# Altium PCB layout_test_slave1b.PcbDoc
Units mil, origin at the board's own origin, x right, y up, seen from the top; angles counter-clockwise.
Board outline 3740.33 x 2560.33 mil, 2 copper layers (Top Layer, Bottom Layer); 25 components, 19 nets, 106 pads, 6 vias.
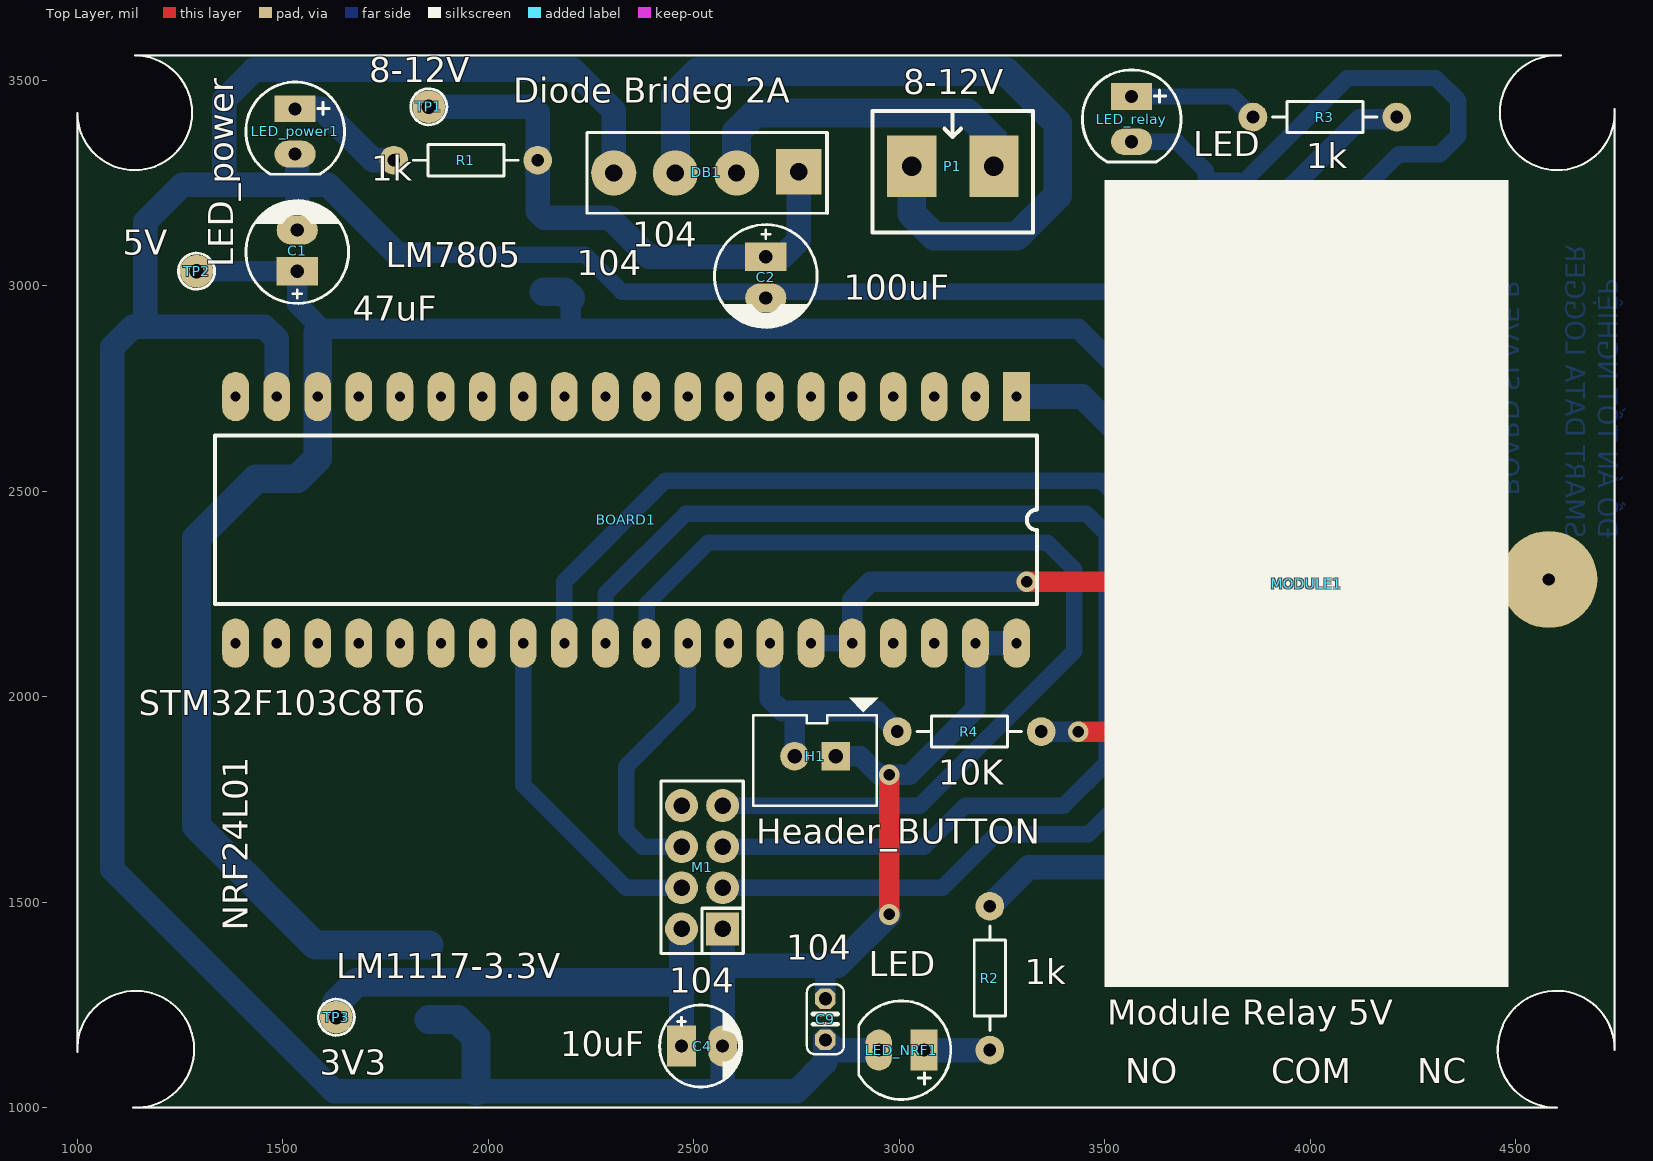
[diagram p0: Top Layer view]
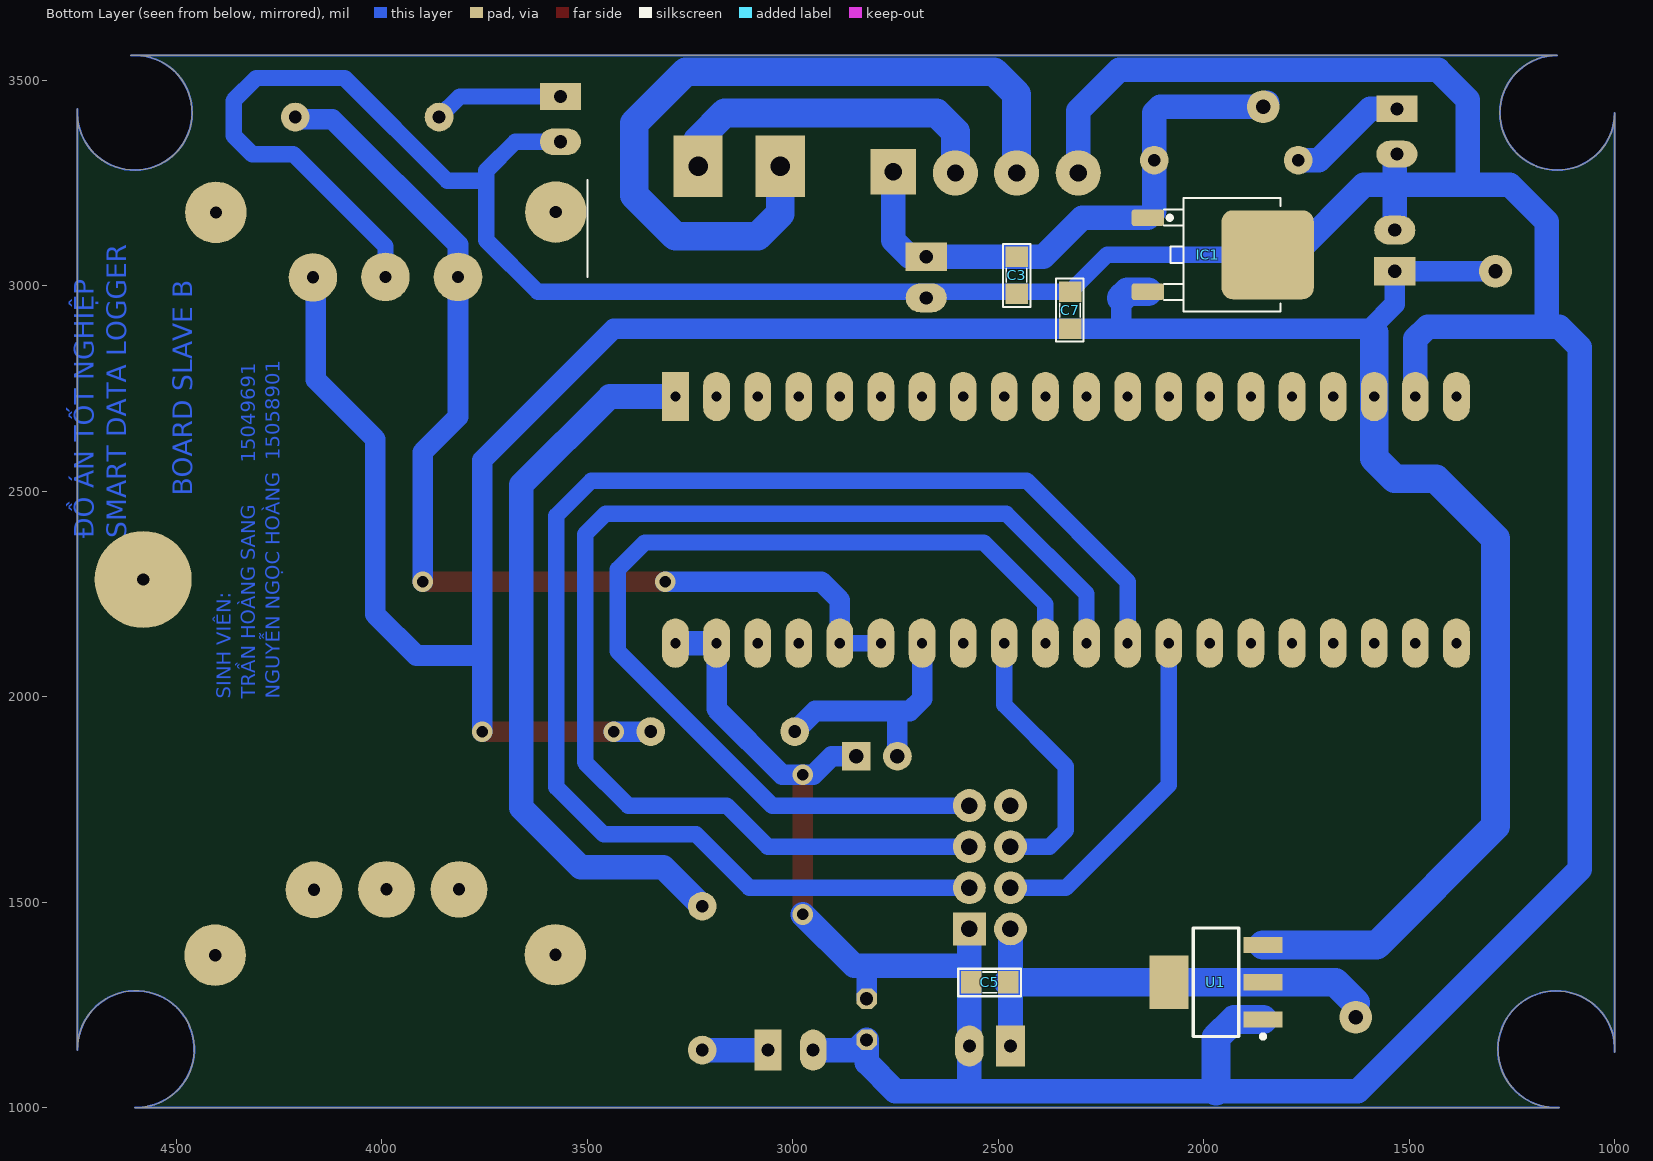
[diagram p1: Bottom Layer view, seen from below]

## Layer stack, top to bottom
Top Solder: solder mask 0.4, Solder Resist, Dk 3.5
Top Layer: signal copper 1.4
Dielectric 1: dielectric 12.6, FR-4, Dk 4.8
Bottom Layer: signal copper 1.4
Bottom Solder: solder mask 0.4, Solder Resist, Dk 3.5

## Board outline
1135,1000 4600,1000 cw(c4597.79,1142.21) 4740,1140 4740,3430 cw(c4600.54,3420.54) 4610,3560 1140,3560 cw(c1139.59,3420.41) 1000,3420 1000,1135 cw(c1142,1142)

## Design rules (kind name [scope] priority, off if disabled: settings)
Clearance [All] p1: gap=1
PolygonConnect [All] p1: connectstyle=Relief reliefconductorwidth=10 reliefentries=4 polygonreliefangle="90 Angle" airgapwidth=10
RoutingVias [All] p1: holewidth=28 width=50 viastyle="Through Hole" minholewidth=28 minwidth=50 maxholewidth=28 maxwidth=50
SolderMaskExpansion [All] p1: expansion=4
Width [All] p1: maxlimit=100 minlimit=5 preferedwidth=10
30 further rules are at their usual default settings.

## Components (designator, comment, footprint, x,y, rotation, side; value= is the part's Value field where it differs from the comment)
BOARD1 "STM32F103C8T6" "BOARD STM32F103C8T6 - duplicate" 3285,2730 r270 top
C1 "47uF" CP1/2.5 1535,3035 r90 top
C2 "100uF" CP1/2.5 2675,3070 r270 top
C3 "104" SM-CAP-0805 2455,2980 r90 bottom
C4 "10uF" CP1/2 2470,1150 r0 top
C5 "104" SM-CAP-0805 2565,1305 r180 bottom
C7 "104" SM-CAP-0805 2325,2985 r270 bottom
C9 "104" C025-025,040 2820,1165 r90 top
DB1 "Diode Brideg 2A" "DIO-Bri 2A" 2755,3275 r180 top
H1 "Header_BUTTON" Header2 3175,1860 r180 top
IC1 "LM7805" TO252-123 1990,3075 r270 bottom
LED_NRF1 "LED" LED-5-BLUE 3005,1140 r180 top
LED_power1 "LED_power" LED-5-BLUE 1530,3375 r270 top
LED_relay "LED" LED-5-BLUE 3565,3405 r270 top
M1 "NRF24L01" NRF24L01 2520,1585 r90 top
MODULE1 "Module Relay 5V" "MODULE RELAY 5V" 3990,2295 r270 top
P1 "8-12V" "Medium - Header 2" 3130,3290 r0 top
R1 "1k" R1/4W 1770,3305 r0 top
R2 "1k" R1/4W 3220,1140 r90 top
R3 "1k" R1/4W 3860,3410 r0 top
R4 "10K" R1/4W 2995,1915 r0 top
TP1 "8-12V" TP1 1855,3435 r180 top
TP2 "5V" TP1 1290,3035 r0 top
TP3 "3V3" TP1 1630,1220 r0 top
U1 "LM1117-3.3V" SOT223 1970,1305 r90 bottom

## Footprints (in the part's own frame and the unit in brackets; to place one, negate y for a bottom-side part, rotate by r counter-clockwise, add the part's x,y. Pads: shape width x height; smd on the part's side, far side on the other; paste and mask are expansions set on the pad)
"BOARD STM32F103C8T6 - duplicate" [mil]
  rect 120x65 hole 25: 1(0,0)
  oval 120x65 hole 25: 2(0,-100) 3(0,-200) 4(0,-300) 5(0,-400) 6(0,-500) 7(0,-600) 8(0,-700) 9(0,-800) 10(0,-900) 11(0,-1000) 12(0,-1100) 13(0,-1200) 14(0,-1300) 15(0,-1400) 16(0,-1500) 17(0,-1600) 18(0,-1700) 19(0,-1800) 20(0,-1900) 21(600,-1900) 22(600,-1800) 23(600,-1700) 24(600,-1600) 25(600,-1500) 26(600,-1400) 27(600,-1300) 28(600,-1200) 29(600,-1100) 30(600,-1000) 31(600,-900) 32(600,-800) 33(600,-700) 34(600,-600) 35(600,-500) 36(600,-400) 37(600,-300) 38(600,-200) 39(600,-100) 40(600,0)
  silkscreen extent 95,-1950 505,50, body extent -150,-2130 750,136, height 475
C025-025,040 [mil]
  oct 50x50 hole 32: 1(0,0) 2(100,0)
  silkscreen extent -35,-45 135,45, body extent -65,-33 165,33, height 265
CP1/2 [mil] "Tu hoa < 22uF/16>50V"
  rect 70x100 hole 32: 1(0,0)
  oval 70x100 hole 32: 2(100,0)
  silkscreen extent -53,-100 147,100, body extent -49,-99 149,99, height 287
CP1/2.5 [mil] "Tu hoa 33 >100 uF,50V, 220uF/16V,25V"
  rect 70x100 hole 32: 1(0,0)
  oval 70x100 hole 32: 2(100,0)
  silkscreen extent -78,-125 172,125, body extent -76,-124 172,124, height 422
"DIO-Bri 2A" [mil] "CAU 2A DET"
  rect 110x110 hole 42: 1(0,-2)
  round 110 hole 42: 2(151,1) 3(300,1) 4(450,1)
  silkscreen extent -70,-97 515,100, body extent -62,-95 512,102, height 650
Header2 [mil] "CON2"
  rect 70x70 hole 35.43: 1(330,5)
  round 70 hole 35.43: 2(430,5)
  silkscreen extent 227,-137 530,125, body extent 262,-65 498,112, height 236
LED-5-BLUE [mil] "LED 2 PIN, 5 ly , Only colour, pin to pin 110mil"
  rect 65x100 hole 32: 1(-55,0)
  oval 65x100 hole 32: 2(55,0)
  silkscreen extent -120,-120 104,120, body extent -113,-120 100,117, height 339
"Medium - Header 2" [mil]
  rect 120x150 hole 47.24: 1(-100,0) 2(100,0)
  silkscreen extent -195,-160 195,135, body extent -197,-160 197,135, height 394
"MODULE RELAY 5V" [mil]
  round 118.11 hole 30: 1(-725,177) 2(-726,0.5) 3(-726,-176)
  round 137.8 hole 30: 4(765,174.5) 5(764,-2) 6(764,-178.5)
  round 149.61 hole 30: VIT(-884,-414) VIT(-883,413) VIT(923,-413) VIT(924,415)
  silkscreen extent -962,-491 1002,492, body extent -963,-492 1001,494, height 669
NRF24L01 [mil]
  rect 80x80 hole 40.16: 1(-150,-50)
  round 80 hole 40.16: 2(-50,-50) 3(50,-50) 4(150,-50) 5(150,50) 6(50,50) 7(-50,50) 8(-150,50)
  silkscreen extent -210,-100 210,100, body extent -230,-110 360,1032, height 606
R1/4W [mil] "R 1/4W, 2 Pin, 350mil"
  round 70 hole 31: 1(0,0) 2(350,0)
  silkscreen extent 48,-38 302,38, body extent -40,-47 386,47, height 111
SM-CAP-0805 [mil]
  rect 50x55 smd: 1(0,0) 2(90,0)
  silkscreen extent -32,-34 121,33, body extent 6,-25 84,25, height 31
SOT223 [mm]
  rect 1x2.4 smd: 1(-2.3,-2.9) 2(0,-2.9) 3(2.3,-2.9)
  rect 3.3x2.4 smd: 4(0,2.9)
  silkscreen extent -3.47,-3.02 3.35,1.4, body extent -3.25,-3.56 3.25,3.4, height 1.68
TO252-123 [mm]
  round 0.5 on Mech15: 0(0,0)
  rrect25% 1x2 smd: 1(-2.285,-3.7) 3(2.285,-3.7)
  rrect25% 5.5x5.7 smd: 2(0,3.7)
  silkscreen extent -3.5,-2.7 3.5,4.5, body extent -3.3,-3.95 3.3,5.76, height 2.31
TP1 [mil] "Test point"
  round 80 hole 35: 1(0,0)
  silkscreen extent -44,-44 44,44, body extent -50,-50 50,50, height 178

## Part data
BOARD1: library part "board stm32f103c8t6"
C1 C2: library part CP2, "C 47uF/50V , 220uF/16V"
C3 C5 C7: library part CN
C4: library part CP1, "Cap P  0,1uF < 22uF , 16 - 50V"
C9: library part CN, "CAP CER 0.047UF 25V X7R 0402"
DB1: library part "DIODE BRIGDE", "Convert AC to DC voltage, 4 pin"
H1: library part Header2, "Header IDC, 2 x 1 Pin Vertical 2.54mm Pitch (Non-Boxed, Male)"
IC1: library part LM78xx, "Positive Voltage Regulator"
LED_NRF1 LED_relay: "LED Single colour Green and Red"
LED_power1: library part LED, "LED Single colour Green and Red"
P1: library part "Header 2 - M", "Header, 2-Pin, Medium"
R1 R2 R3 R4: library part R1/4W, "Resistor 1/4W"
TP1 TP2 TP3: library part TP1, "Test Point"
U1: library part LM1117, "800mA Low-Dropout Linear Regulator"

## Free pads (board coordinates)
  round 236.22 hole 30: 2(4580,2285)

## Via types
v1: diameter 50, hole 28, Top Layer to Bottom Layer, 6 vias

## Nets (pads, with @x,y where several pads share a name; then routed paths per layer and width w, separated by ;. In a path a pad name is that pad's centre, name@x,y a point inside that pad or via, vN(x,y) a via of type N, cw(c..) or ccw(c..) an arc to the next point about the centre after c; other vN are vias at no path point)
3V3: C4.1 C5.2 M1.8 TP3.1 U1.2 U1.4 | length 1150.7
  Bottom Layer w60: C4.1 2470,1305 M1.8
  Bottom Layer w70: TP3.1@1630,1255 1680,1305 U1.2 U1.4 2470,1305 C5.2
5V: BOARD1.18 C1.1 C7.2 IC1.3 MODULE1.1 R4.2 TP2.1 U1.3 | length 7168.8
  Top Layer w50: v1(3435,1915) v1(3755,1915)
  Bottom Layer w50: TP2.1 C1.1 1535,2955 1595,2895 2200,2895 ; 2200,2970 2200,2895 ; R4.2 v1(3435,1915) ; v1(3755,1915) 3755,2100 ; MODULE1.1 4160,3013 4160,2771.57 4015,2626.57 4015,2200 3915,2100 3755,2100 ; 2200,2895 C7.2 3435,2895 3755,2575 3755,2100
  Bottom Layer w70: 1585,2885 BOARD1.18 1585,2580 1535,2530 1435,2530 1290,2385 1290,1685 1579.45,1395.55 U1.3 ; IC1.3 2184.96,2985.04 2200,2970
GND: BOARD1.19 BOARD1.39 BOARD1.40 C1.2 C2.2 C3.1 C4.2 C5.1 C7.1 C9.1 C9.2 DB1.4 H1.1 IC1.2 LED_NRF1.2 LED_power1.2 LED_relay.2 M1.1 MODULE1.2 U1.1 | length 12612
  Top Layer w50: v1(2975,1470) v1(2975,1810)
  Bottom Layer w40: IC1.2 2235,3075 C7.1 3620,2985 3745,3110 3745,3255 ; LED_relay.2 3675,3350 3745,3280 3745,3255 ; MODULE1.2 3990.5,3095.5 4215,3320 4315,3320 4360,3365 4360,3450 4305,3505 4090,3505 3840,3255 3745,3255
  Bottom Layer w50: C9.2 2820,1345 ; H1.1 2905,1855 2950,1810 v1(2975,1810) 3025,1810 3185,1970 BOARD1.39
  Bottom Layer w60: BOARD1.19 1485,2870 1455,2900 1165,2900 ; LED_power1.2 1535,3315 1535,3245 ; C1.2 1535,3245 ; IC1.2 1780,3075 1610,3245 1535,3245 ; DB1.4 2305,3425 2205,3525 1430,3525 1357.5,3452.5 1357.5,3257.5 1345,3245 ; M1.1 2570,1345 ; LED_NRF1.2 2845,1140 C9.1 2820,1110 2750,1040 2570,1040 ; v1(2975,1470) 2850,1345 2820,1345 2570,1345 ; BOARD1.39 BOARD1.40 ; 1165,2900 1135,2900 1085,2850 1085,1580 1625,1040 1970,1040 2570,1040 ; 1165,2900 1165,3155 1255,3245 1345,3245 ; 1345,3245 1535,3245 ; 2570,1040 2565,1045 2570,1050 C4.2 2570,1345
  Bottom Layer w70: U1.1 1925.55,1214.45 1970,1170 1970,1040
NetBOARD1_1: BOARD1.1 R2.2 | length 1788.5
  Bottom Layer w60: R2.2 3315,1585 3515,1585 3660,1730 3660,2515 3445,2730 BOARD1.1
NetBOARD1_25: BOARD1.25
NetBOARD1_26: BOARD1.26
NetBOARD1_28: BOARD1.28 M1.7 | length 833.6
  Bottom Layer w40: BOARD1.28 2085,1785 2335,1535 M1.7
NetBOARD1_29: BOARD1.29 M1.2 | length 3443.2
  Bottom Layer w40: BOARD1.29 2185,2280 2430,2525 3490,2525 3575,2440 3575,1780 3460,1665 3235,1665 3105,1535 M1.2
NetBOARD1_30: BOARD1.30 M1.3 | length 3016.4
  Bottom Layer w40: BOARD1.30 2285,2250 2480,2445 3455,2445 3505,2395 3505,1840 3400,1735 3160,1735 3060,1635 M1.3
NetBOARD1_31: BOARD1.31 M1.4 | length 2434.4
  Bottom Layer w40: BOARD1.31 2385,2225 2535,2375 3360,2375 3425,2310 3425,2110 3050,1735 M1.4
NetBOARD1_32: BOARD1.32 M1.6 | length 668.7
  Bottom Layer w40: M1.6 2375,1635 2335,1675 2335,1830 2485,1980 BOARD1.32
NetBOARD1_34: BOARD1.34 H1.2 R4.1 | length 588.1
  Bottom Layer w50: BOARD1.34 2685,1995 2715,1965 2745,1965 ; H1.2 2745,1965 ; R4.1 2945,1965 2745,1965
NetBOARD1_35: BOARD1.35 BOARD1.36 MODULE1.3 R3.2 | length 2625.2
  Top Layer w50: v1(3310,2280) v1(3900,2280)
  Bottom Layer w40: BOARD1.35 BOARD1.36
  Bottom Layer w50: BOARD1.36 2885,2235 2930,2280 v1(3310,2280) ; v1(3900,2280) 3900,2595 3814,2681 MODULE1.3 3814,3099 4120,3405 4200,3405 4210,3415 R3.2
NetC2_1: C2.1 C3.2 DB1.1 IC1.1 R1.2 TP1.1 | length 1389.1
  Bottom Layer w60: TP1.1@1845,3445 TP1.1 2105,3435 2120,3420 R1.2 2120,3180.63 IC1.1 2295.04,3164.96 2390,3070 C3.2 C2.1 2715,3070 2755,3110 DB1.1
NetDB1_2: DB1.2 P1.2 | length 822
  Bottom Layer w70: DB1.2@2604,3289 2604,3374 2650,3420 3165,3420 3230,3355 P1.2
NetDB1_3: DB1.3 P1.1 | length 1904.8
  Bottom Layer w70: DB1.3 2455,3465 2510,3520 3260,3520 3385,3395 3385,3220 3285,3120 3085,3120 3030,3175 P1.1
NetLED_NRF1_1: LED_NRF1.1 R2.1 | length 160
  Bottom Layer w60: LED_NRF1.1 R2.1
NetLED_power1_1: LED_power1.1 R1.1 | length 291.8
  Bottom Layer w60: LED_power1.1 1595,3430 1720,3305 R1.1
NetLED_relay_1: LED_relay.1 R3.1 | length 315.7
  Bottom Layer w40: LED_relay.1 3810,3460 R3.1
pads on no net: BOARD1.2 BOARD1.3 BOARD1.4 BOARD1.5 BOARD1.6 BOARD1.7 BOARD1.8 BOARD1.9 BOARD1.10 BOARD1.11 BOARD1.12 BOARD1.13 BOARD1.14 BOARD1.15 BOARD1.16 BOARD1.17 BOARD1.20 BOARD1.21 BOARD1.22 BOARD1.23 BOARD1.24 BOARD1.27 BOARD1.33 BOARD1.37 BOARD1.38 IC1.0 M1.5 MODULE1.4 MODULE1.5 MODULE1.6 MODULE1.VIT
copper on no net: | length 14203.2
  Bottom Layer w5: 1000,1135 cw(c1142,1142) 1135,1000 4600,1000 cw(c4597.79,1142.21) 4740,1140 4740,3430 cw(c4600.54,3420.54) 4610,3560 1140,3560 cw(c1139.59,3420.41) 1000,3420 1000,1135

## Other copper
Bottom Layer:
  text "ĐỒ ÁN TỐT NGHIỆP / SMART DATA LOGGER /  /      BOARD SLAVE B" at 4445,2385 h80 r270
  text "SINH VIÊN: / TRẦN HOÀNG SANG       15049691 / NGUYỄN NGỌC HOÀNG  15058901" at 4235,1995 h60 r270

## Silkscreen, mask and mechanical layers (free items; w line width, h text height)
Top Overlay:
  the board outline again, w5
  text "NO" at 3550,1060 h60
  text "COM" at 3905,1060 h60
  text "NC" at 4260,1060 h60